# Altium PCB STM32总装电路.PcbDoc
Units mm, origin at the board's own origin, x right, y up, seen from the top; angles counter-clockwise.
Board outline 152.4 x 101.6 mm, 2 copper layers (Top Layer, Bottom Layer); 18 components, 22 nets, 117 pads, 0 vias.
Unrouted connection lines stored in the file: 6.
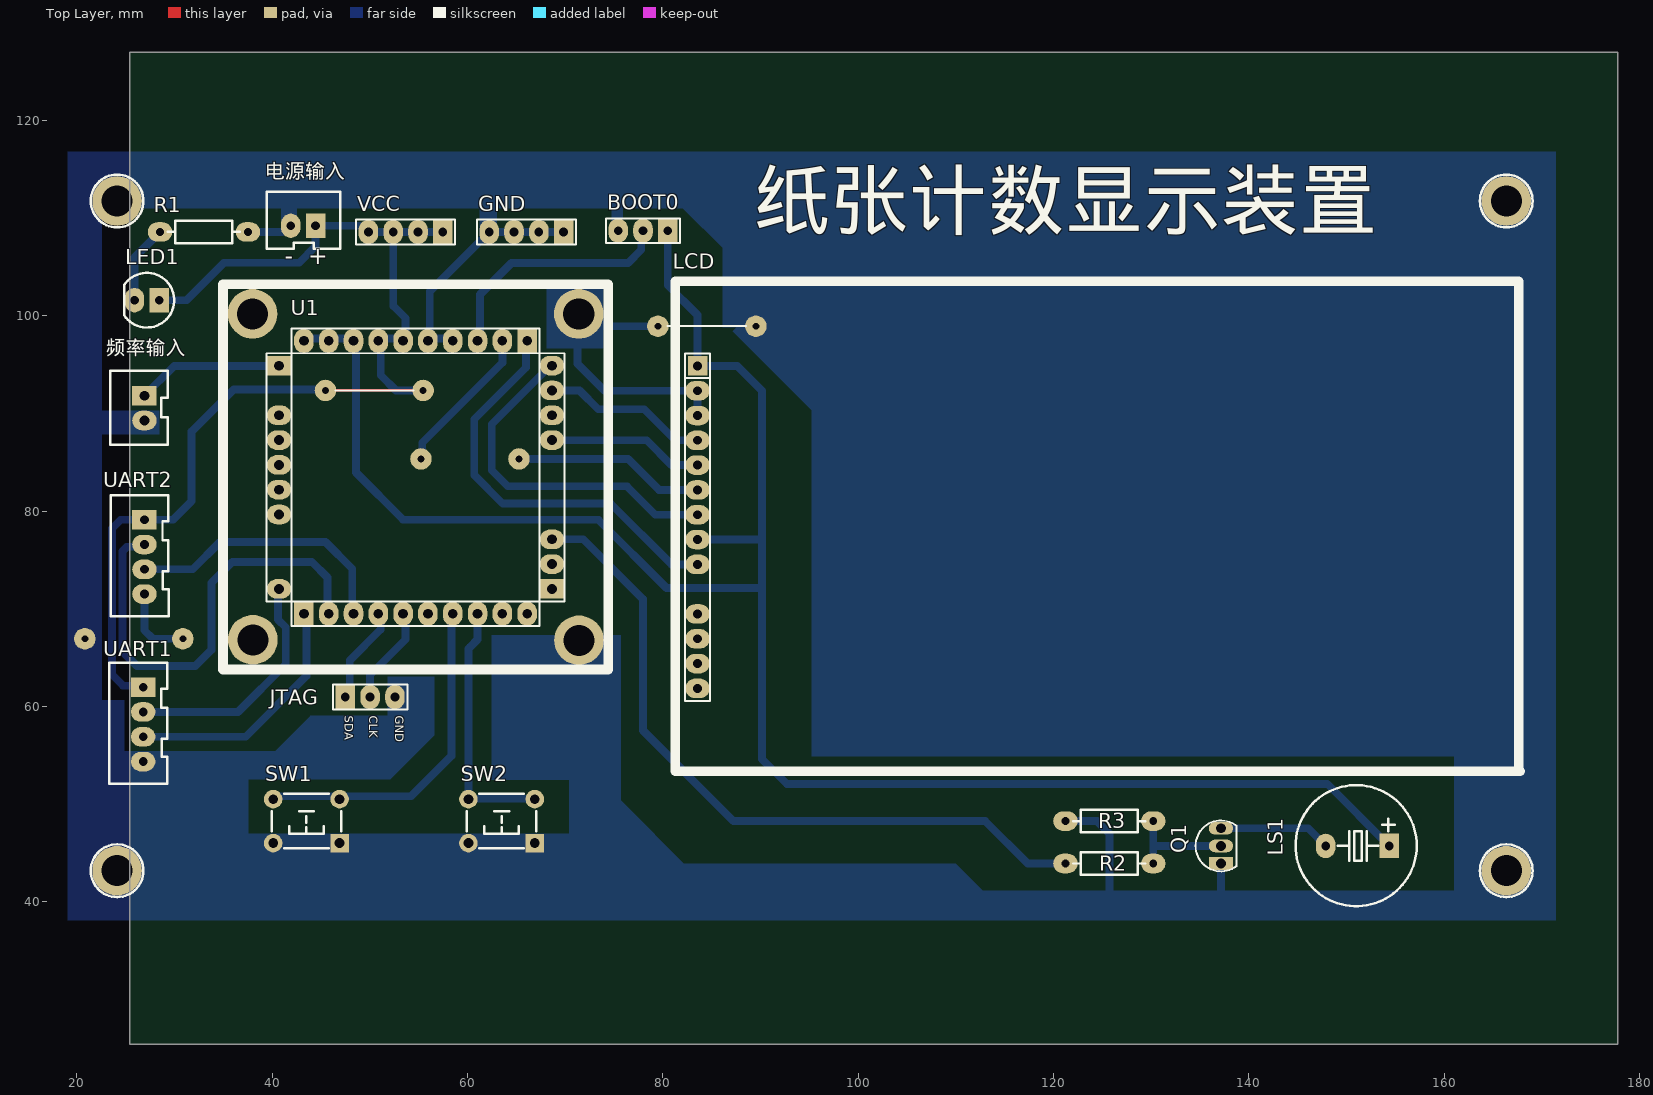
[diagram p0: Top Layer view]
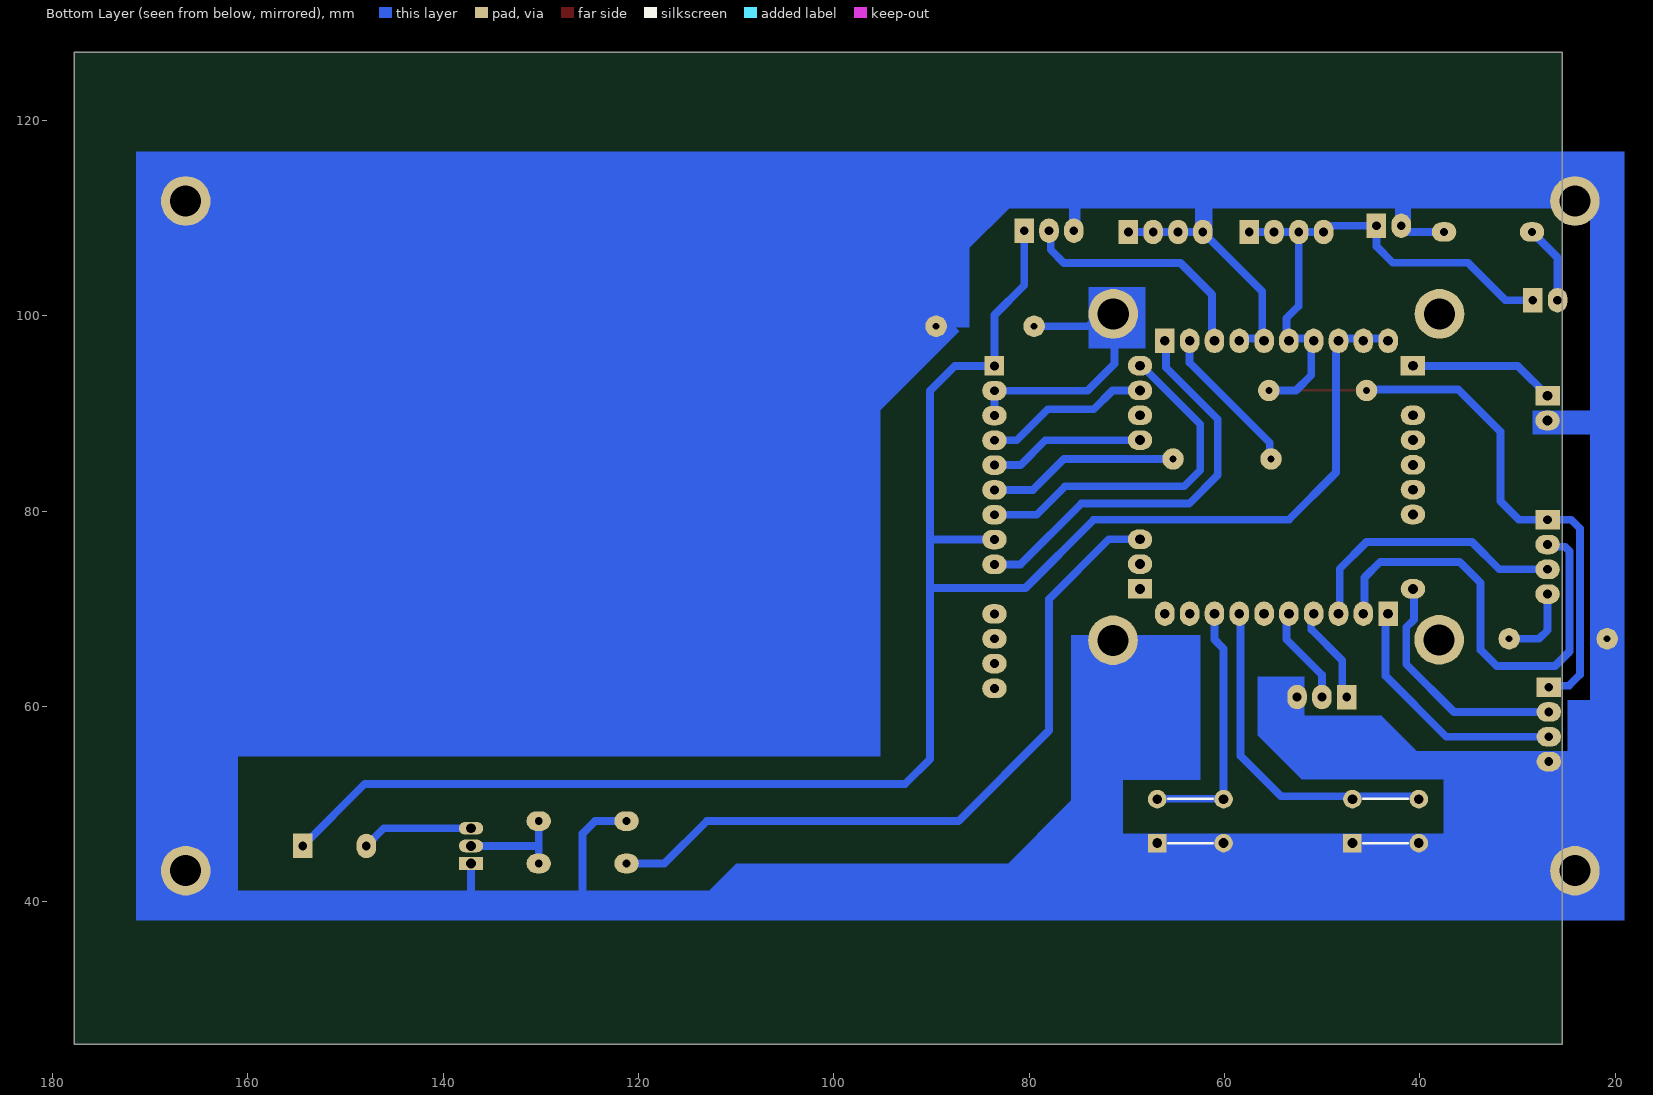
[diagram p1: Bottom Layer view, seen from below]

## Layer stack, top to bottom
Top Solder: solder mask 0.0102, Solder Resist, Dk 3.5
Top Layer: signal copper 0.0356
Dielectric1: dielectric 0.32, FR-4, Dk 4.8
Bottom Layer: signal copper 0.0356
Bottom Solder: solder mask 0.0102, Solder Resist, Dk 3.5

## Board outline
25.4,25.4 177.8,25.4 177.8,127 25.4,127

## Design rules (kind name [scope] priority, off if disabled: settings)
Clearance [All] p1: gap=0.254 ignorepadtopadclearanceinfootprint=FALSE except(0: Arc-Hole Track-Hole SMDPad-Hole THPad-Hole Via-Hole Fill-Hole Poly-Hole Region-Hole Text-Hole)
FabricationTestPointUsage TestPointUsage [All] p1: valid=0 allowmultiple=FALSE
FabricationTestpoint Testpoint [All] p1: side=3 testpointundercomponent=TRUE minsize=1.016 maxsize=2.54 preferedsize=1.524 minholesize=0 maxholesize=1.016 preferedholesize=0.813 testpointgrid=0.025 allowsidetop=TRUE allowsidebottom=TRUE usegrid=TRUE gridtolerance=0
PolygonConnect [All] p1: connectstyle=Relief reliefconductorwidth=0.254 reliefentries=4 polygonreliefangle="90 Angle" airgapwidth=0.254
RoutingVias [All] p1: holewidth=0.711 width=1.27 viastyle="Through Hole" minholewidth=0.711 minwidth=1.27 maxholewidth=0.711 maxwidth=1.27
SilkToSolderMaskClearance SilkscreenOverComponentPads [IsPad] p1: minsilkscreentomaskgap=0.254 clearancetoexposedcopper=TRUE
SolderMaskExpansion [All] p1: expansion=0.102
Width [All] p1: maxlimit=1 minlimit=0.254 preferedwidth=0.8 toplayer_maxwidth=0.254 toplayer_prefwidth=0.254 bottomlayer_minwidth=0.5 minimp=50.000000 maximp=50.000000 favimp=50.000000
27 further rules are at their usual default settings.

## Components (designator, comment, footprint, x,y, rotation, side; value= is the part's Value field where it differs from the comment)
BOOT0 "HDR-1X3" HDR2.54-LI-3P 77.978,108.712 r180 top (schematic designator JP8)
GND "HDR-1X4" HDR2.54-LI-4P 66.04,108.585 r180 top (schematic designator JP2)
JTAG "HDR-1X3" HDR2.54-LI-3P 50.038,60.96 r0 top (schematic designator JP7)
LCD "2.8寸 TFT彩屏" 2.8寸TFT屏幕 81.28,78.359 r0 top locked (schematic designator *)
LED1 "红色" "LED 5MM-B" 27.178,101.6 r180 top
LS1 "DC5V" "BEEP 6.5x12x8.5" 151.13,45.72 r90 top
Q1 "SS8050" TO92A 137.16,45.72 r0 top
R1 "1K" "RS 1/4W" 33.02,108.585 r180 top
R2 "1K" "RS 1/4W" 125.73,43.92 r0 top
R3 "1K" "RS 1/4W" 125.73,48.26 r0 top
SW1 "6x6x5" "TSW DIP-6*6*6" 43.51,48.26 r180 top
SW2 "6x6x5" "TSW DIP-6*6*6" 63.5,48.26 r180 top
U1 "STM32" STM32自制最小系统 34.925,64.135 r0 top
UART1 "HDR-1X4" XH2.54-LI-4P 26.797,58.166 r270 top (schematic designator JP5)
UART2 "HDR-1X4" XH2.54-LI-4P 26.924,75.311 r270 top (schematic designator JP4)
VCC "HDR-1X4" HDR2.54-LI-4P 53.67,108.585 r180 top (schematic designator JP1)
电源输入 "HDR-1X2" XH2.54-LI-2P#1 43.18,109.22 r180 top (schematic designator JP6)
频率输入 "HDR-1X2" XH2.54-LI-2P#2 26.924,90.551 r270 top (schematic designator JP3)

## Footprints (in the part's own frame and the unit in brackets; to place one, negate y for a bottom-side part, rotate by r counter-clockwise, add the part's x,y. Pads: shape width x height; smd on the part's side, far side on the other; paste and mask are expansions set on the pad)
2.8寸TFT屏幕 [mm]
  rect 2x2 hole 0.9: 1(2.286,16.51)
  oval 2.5x2 hole 0.9: 2(2.286,13.97) 3(2.286,11.43) 4(2.286,8.89) 5(2.286,6.35) 6(2.286,3.81) 7(2.286,1.27) 8(2.286,-1.27) 9(2.286,-3.81) 11(2.286,-8.89) 12(2.286,-11.43) 13(2.286,-13.97) 14(2.286,-16.51)
  round 0 all layers, no hole: 10(2.286,-6.35)
  silkscreen extent 0,-24.99 86.5,25.17, body extent 1.02,-17.78 3.56,17.78, height 8.5
"BEEP 6.5x12x8.5" [mm] "6.5*12*8.5mm(脚距,直径,高度)"
  rect 2.5x2 hole 0.9: 1(0,-3.25)
  oval 2.5x2 hole 0.9: 2(0,3.25)
  silkscreen extent -6.17,-6.07 6.22,6.33, body extent -6,-6 6,6, height 8.55
HDR2.54-LI-3P [mm] "排针，3脚"
  rect 2x2.5 hole 0.9: 1(-2.54,0)
  oval 2x2.5 hole 0.9: 2(0,0) 3(2.54,0)
  silkscreen extent -3.81,-1.27 3.81,1.27, body extent -3.81,-1.27 3.81,1.27, height 8.5
HDR2.54-LI-4P [mm] "排针，4脚"
  rect 2x2.5 hole 0.9: 1(-3.81,0)
  oval 2x2.5 hole 0.9: 2(-1.27,0) 3(1.27,0) 4(3.81,0)
  silkscreen extent -5.08,-1.27 5.08,1.27, body extent -5.08,-1.27 5.08,1.27, height 8.5
"LED 5MM-B" [mm] "蓝色5mm直插LED"
  rect 2x2.5 hole 0.9: 1(-1.27,0)
  oval 2x2.5 hole 0.9: 2(1.27,0)
  silkscreen extent -2.8,-2.8 2.33,2.8, body extent -2.85,-2.85 2.45,2.85, height 8.75
"RS 1/4W" [mm] "直插色环电阻，脚距9mm，直径2.3mm"
  oval 2.5x2 hole 0.8: 1(-4.5,0) 2(4.5,0)
  silkscreen extent -3.68,-1.14 3.68,1.14, body extent -4.72,-1.16 4.73,1.16, height 2.32
STM32自制最小系统 [mm]
  rect 2.5x2 hole 1: 1(5.791,30.759) 21(33.731,7.899)
  round 0 all layers, no hole: 2(5.791,28.219) 8(5.791,12.979) 9(5.791,10.439) 24(33.731,15.519) 25(33.731,18.059) 26(33.731,20.599)
  oval 2.5x2 hole 1: 3(5.791,25.679) 4(5.791,23.139) 5(5.791,20.599) 6(5.791,18.059) 7(5.791,15.519) 10(5.791,7.899) 22(33.731,10.439) 23(33.731,12.979) 27(33.731,23.139) 28(33.731,25.679) 29(33.731,28.219) 30(33.731,30.759)
  rect 2x2.5 hole 1: 11(8.331,5.359) 31(31.191,33.299)
  oval 2x2.5 hole 1: 12(10.871,5.359) 13(13.411,5.359) 14(15.951,5.359) 15(18.491,5.359) 16(21.031,5.359) 17(23.571,5.359) 18(26.111,5.359) 19(28.651,5.359) 20(31.191,5.359) 32(28.651,33.299) 33(26.111,33.299) 34(23.571,33.299) 35(21.031,33.299) 36(18.491,33.299) 37(15.951,33.299) 38(13.411,33.299) 39(10.871,33.299) 40(8.331,33.299)
  round 5.08 hole 3.175: 35(3.073,36.068) 35(3.099,2.692) 35(36.474,36.068) 35(36.5,2.642)
  Top Layer pour cut-out: 45.136,13.564
  Top Layer pour cut-out: 8.306,5.817
  silkscreen extent 0.05,-0.36 39.5,39.09, body extent 4.52,4.09 35,34.57, height 8.5
TO92A [mm] "92晶体管"
  rect 2.5x1.3 hole 1: 1(0,-1.8)
  oval 2.5x1.3 hole 1: 2(0,0) 3(0,1.8)
  silkscreen extent -2.6,-2.6 1.6,2.6, body extent -2.3,-2.3 1.3,2.3, height 7.6
"TSW DIP-6*6*6" [mm] "6*6*6mm"
  rect 1.9x1.9 hole 1: 1(-3.4,2.25)
  round 1.9 hole 1: 2(-3.4,-2.25) 3(3.4,-2.25) 4(3.4,2.25)
  silkscreen extent -3.56,-2.79 3.56,2.79, body extent -4.11,-3 4.11,3, height 5.95
XH2.54-LI-2P#1 [mm] "接插件，2P"
  rect 2x2.5 hole 0.9: 1(-1.27,0)
  oval 2x2.5 hole 0.9: 2(1.27,0)
  silkscreen extent -3.81,-3.51 3.74,2.37, body extent -3.77,-3.3 3.77,2.4, height 7.05
XH2.54-LI-2P#2 [mm] "接插件，2P"
  rect 2x2.5 hole 1: 1(-1.27,0)
  oval 2x2.5 hole 1: 2(1.27,0)
  silkscreen extent -3.81,-3.51 3.74,2.37, body extent -3.77,-3.3 3.77,2.4, height 7.05
XH2.54-LI-4P [mm] "接插件，4P"
  rect 2x2.5 hole 0.9: 1(-3.81,0)
  oval 2x2.5 hole 0.9: 2(-1.27,0) 3(1.27,0) 4(3.81,0)
  silkscreen extent -6.3,-3.45 6.07,2.49, body extent -6.31,-3.3 6.31,2.4, height 7.03

## Part data
BOOT0 JTAG: library part "Header 3", "3P接插件"
GND UART1 UART2 VCC: library part "Header 4", "4P接插件"
  UART1 UART2: BOM名称=4P接插件, 学习资源=www.ooocke.com, 版权归属=源创客
LED1: library part LED-5MM, "5mm插件LED", BOM名称=5mm插件LED, 学习资源=www.ooocke.com, 版权归属=源创客
LS1: library part BEEP, "蜂鸣器"
Q1: library part 8050-DIP, "高频放大-NPN型", BOM名称=高频放大-NPN型, 学习资源=www.ooocke.com, 属性="40V 1.5A 1W 100MHZ", 版权归属=源创客
R1 R2 R3: library part R-CRR, "直插色环电阻"
SW1 SW2: library part "TSW DIP-6x6", "直插6x6轻触开关", BOM名称=直插6x6轻触开关, 学习资源=www.ooocke.com, 版权归属=源创客
U1: library part STM32最小系统, "STM32最小系统自制"
电源输入 频率输入: library part "Header 2", "2P接插件", BOM名称=2P接插件, 学习资源=www.ooocke.com, 版权归属=源创客

## Free pads (board coordinates)
  round 2.2 hole 0.7: 1(20.828,66.929) 1(30.861,66.929) 1(45.466,92.354) 1(55.245,85.344) 1(65.278,85.344) 1(79.502,98.933) 1(89.535,98.933) 2(55.466,92.354)
  round 5.08 hole 3.175: 2(24.13,43.18) 2(24.13,111.76) 2(166.37,43.18) 2(166.37,111.76)

## Nets (pads, with @x,y where several pads share a name; then routed paths per layer and width w, separated by ;. In a path a pad name is that pad's centre, name@x,y a point inside that pad or via, vN(x,y) a via of type N, cw(c..) or ccw(c..) an arc to the next point about the centre after c; other vN are vias at no path point)
BEEP: R2.1 U1.23 | length 74.2
  Bottom Layer w0.8: U1.23 71.857,77.114 77.978,70.993 77.978,57.531 87.249,48.26 113.03,48.26 117.37,43.92 R2.1
BOOT0: BOOT0.2 U1.33 | length 25.2
  Bottom Layer w0.8: U1.33@61.29,97.434 61.29,102.184 64.516,105.41 76.454,105.41 77.806,106.762 77.806,108.54 BOOT0.2
CS: BOOT0.3 GND.1 GND.2 GND.3 GND.4 JTAG.3 LCD.2 LCD.3 pad.1@20.828,66.929 pad.1@30.861,66.929 pad.1@79.502,98.933 pad.1@89.535,98.933 pad.2@24.13,43.18 pad.2@24.13,111.76 pad.2@166.37,43.18 pad.2@166.37,111.76 Q1.1 R1.1 R3.1 SW1.1 SW1.4 SW2.1 SW2.4 U1.28 U1.34 U1.35 UART1.4 UART2.4 电源输入.2 频率输入.2 | length 89.7
  Bottom Layer w0.5: U1.28@68.529,90.068 U1.28@68.542,90.056
  Bottom Layer w0.8: UART2.4 26.924,67.818 27.813,66.929 pad.1@30.861,66.929 ; R1.1 41.031,108.585 41.666,109.22 电源输入.2 41.91,115.494 41.986,115.57 ; U1.35@55.829,97.688 U1.34@58.369,97.688 ; U1.35@56.134,97.511 56.134,102.489 GND.4 GND.3 GND.2 GND.1 ; pad.1@79.502,98.933 73.955,98.933 72.431,100.457 71.272,100.457 71.272,95.098 74.041,92.329 LCD.2 LCD.3 ; R3.1 124.46,48.26 125.73,46.99 125.73,39.116 ; 137.16,40.132 Q1.1
DC: LCD.5 U1.27 | length 16.2
  Bottom Layer w0.8: U1.27@68.529,87.528 68.809,87.249 78.359,87.249 80.899,84.709 LCD.5
Freq: U1.1 频率输入.1 | length 15.3
  Bottom Layer w0.8: 频率输入.1 29.972,94.869 40.945,94.869 U1.1@40.97,94.894
KEY_1: SW1.2 SW1.3 U1.17 | length 35.1
  Bottom Layer w0.8: SW1.3@39.751,50.8 54.229,50.8 58.369,54.94 58.369,68.097 U1.17@58.369,69.748
KEY_2: SW2.2 SW2.3 U1.18 | length 25.8
  Bottom Layer w0.8: U1.18 61.036,66.853 60.274,66.091 60.1,65.917 60.1,50.546 SW2.2@66.548,50.546
LED: BOOT0.1 LCD.1 LCD.8 LS1.1 U1.38 U1.39 U1.40 | length 200
  Bottom Layer w0.8: U1.40@43.129,97.688 U1.38@48.209,97.688 ; U1.38@48.59,97.434 48.59,83.947 53.416,79.121 73.406,79.121 80.391,72.136 90.17,72.136 ; BOOT0.1 80.518,103.124 83.566,100.076 LCD.1 87.63,94.869 90.17,92.329 90.17,77.089 ; LCD.8 90.17,77.089 ; LS1.1 148.03,52.07 92.71,52.07 90.17,54.61 90.17,72.136 ; 90.17,72.136 90.17,77.089
NetLED1_2: LED1.2 R1.2 | length 8.1
  Bottom Layer w0.8: LED1.2 25.908,105.973 R1.2
NetLS1_2: LS1.2 Q1.3 | length 11.5
  Bottom Layer w0.8: Q1.3 146.08,47.52 LS1.2
NetQ1_2: Q1.2 R2.2 R3.2 | length 11.3
  Bottom Layer w0.8: R2.2 130.23,45.72 ; R3.2 130.23,45.72 ; Q1.2 130.23,45.72
RST: LCD.4 U1.29 | length 17
  Bottom Layer w0.8: U1.29 71.476,92.354 73.406,90.424 78.105,90.424 81.28,87.249 LCD.4
RXD: U1.11 UART1.3 | length 25.7
  Bottom Layer w0.8: UART1.3 37.287,56.896 43.51,63.119 43.51,68.097 U1.11@43.51,69.494
RXD_2: U1.13 UART2.3 | length 27.9
  Bottom Layer w0.8: UART2.3 31.877,74.041 34.671,76.835 45.466,76.835 48.209,74.092 U1.13@48.209,69.748
SCK: JTAG.2 U1.15 | length 10
  Bottom Layer w0.8: JTAG.2 50.038,63.246 53.67,66.878 53.67,68.097 U1.15@53.67,69.494
SCL: LCD.7 U1.30 | length 36.4
  Bottom Layer w0.8: U1.30@68.529,95.148 68.529,94.945 62.484,88.9 62.484,84.201 64.135,82.55 76.327,82.55 79.248,79.629 LCD.7
SDA: JTAG.1 U1.14 | length 10
  Bottom Layer w0.8: JTAG.1 47.948,61.41 47.948,64.712 51.13,67.894 U1.14@51.13,69.494
SDI: LCD.6 pad.1@55.245,85.344 pad.1@65.278,85.344 U1.32 | length 35.4
  Bottom Layer w0.8: pad.1@55.245,85.344 55.372,85.471 55.372,86.995 63.576,95.199 U1.32 ; U1.32@63.449,97.434 U1.32@63.449,97.688 ; pad.1@65.278,85.344 76.454,85.344 79.629,82.169 LCD.6
SDO: LCD.9 U1.31 | length 42.8
  Bottom Layer w0.8: U1.31@65.989,97.688 65.989,94.691 60.706,89.408 60.706,83.693 63.627,80.772 74.676,80.772 80.899,74.549 LCD.9
TXD: U1.10 UART1.2 | length 24.9
  Bottom Layer w0.8: UART1.2 36.5,59.436 41.402,64.338 41.402,68.093 40.589,68.906 40.589,70.637 U1.10@40.589,72.288
TXD_2: U1.12 UART2.2 | length 47
  Bottom Layer w0.8: UART2.2 26.694,76.351 25.145,76.351 24.676,75.883 24.676,65.621 26.162,64.135 32.131,64.135 33.782,65.786 33.782,72.644 35.941,74.803 44.069,74.803 45.669,73.203 U1.12@45.669,69.748
VCC: LED1.1 pad.1@45.466,92.354 pad.2@55.466,92.354 U1.36 U1.37 UART1.1 UART2.1 VCC.1 VCC.2 VCC.3 VCC.4 电源输入.1 | length 116.8
  Top Layer w0.254: pad.1@45.466,92.354 pad.2@55.466,92.354
  Bottom Layer w0.8: UART1.1 26.652,62.121 24.747,62.121 23.622,63.246 23.622,78.232 24.511,79.121 UART2.1 29.845,79.121 31.75,81.026 31.75,88.138 36.068,92.456 pad.1@45.466,92.456 ; LED1.1 31.242,101.6 35.077,105.435 42.774,105.435 44.45,107.112 电源输入.1 48.982,109.22 VCC.4@49.617,108.585 ; VCC.4 VCC.3 ; U1.37@50.749,97.688 U1.36@53.289,97.688 ; U1.37@51.13,97.434 51.13,93.904 52.68,92.354 pad.2@55.466,92.354 ; U1.36@53.67,97.434 53.67,99.746 52.4,101.016 VCC.3 ; VCC.1 VCC.2 VCC.3
pads on no net: LCD.10 LCD.11 LCD.12 LCD.13 LCD.14 U1.2 U1.3 U1.4 U1.5 U1.6 U1.7 U1.8 U1.9 U1.16 U1.19 U1.20 U1.21 U1.22 U1.24 U1.25 U1.26

## Other copper
Bottom Layer:
  rectangle net CS: 62.484,52.451 75.73,67.31
  region net CS: 102.405,93.592 92.347,103.65 87.122,98.425 97.18,88.367
  region net CS: 83.884,42.228 74.549,51.562 71.196,48.209 80.531,38.875
  rectangle net CS: 20.32,87.859 28.448,90.297
  rectangle net CS: 40.894,108.585 42.545,112.268
  rectangle net CS: 74.778,108.382 75.921,112.598
  rectangle net CS: 61.239,107.772 63.017,112.37
  region net CS: 89.002,108.458 83.649,113.81 81.44,111.6 86.792,106.248
  rectangle net CS: 70.409,43.739 75.73,56.515
  rectangle net CS: 21.057,54.61 24.867,60.655
  region net CS: 52.095,52.502 56.629,57.036 54.102,59.563 49.568,55.029
  region net CS: 45.911,57.036 43.891,59.055 39.903,55.067 41.923,53.048
  rectangle net CS: 43.891,54.153 51.968,59.055
  rectangle net CS: 51.816,57.023 56.642,63.068
  rectangle net CS: 36.83,52.502 52.095,55.423
  rectangle net CS: 21.793,45.441 37.567,55.423
  region net CS: 73.914,96.647 73.914,102.972 68.097,102.972 68.097,96.647
  region net CS: 113.654,40.248 109.982,43.92 108.186,42.124 111.858,38.452
  region net CS: 76.359,41.243 70.612,46.99 68.636,45.014 74.384,39.267
  rectangle net CS: 21.336,42.672 70.612,46.99
  rectangle net CS: 19.304,38.1 109.982,43.92
  rectangle net CS: 19.05,38.1 22.606,116.84
  rectangle net CS: 19.05,110.998 50.038,116.84
  rectangle net CS: 48.26,110.998 86.868,116.84
  rectangle net CS: 95.25,54.864 163.83,109.474
  rectangle net CS: 86.106,98.806 171.45,116.84
  rectangle net CS: 161.036,38.1 171.45,116.84
  rectangle net CS: 70.612,38.1 171.45,41.148

## Silkscreen, mask and mechanical layers (free items; w line width, h text height)
Top Overlay:
  circle w0.254: c166.37,111.76 r2.7
  circle w0.254: c166.37,43.18 r2.7
  circle w0.254: c24.13,43.18 r2.7
  circle w0.254: c24.13,111.76 r2.7
  lines w0.2: 46.466,92.354 54.466,92.354 ; 80.502,98.933 88.502,98.933
  text "纸张计数显示装置" at 89.281,107.061 h10
  text "-  +" at 41.275,104.648 h3
  text "SDA" at 47.117,59.055 h1.5 r270
  text "CLK" at 49.657,59.055 h1.5 r270
  text "GND" at 52.324,59.055 h1.5 r270
Mechanical 1:
  lines w1: 19.05,38.1 19.05,116.84 171.45,116.84 171.45,38.1 19.05,38.1
Mechanical 15:
  circle w0.05: c84.502,98.933 r0.35
  lines w0.05: 84.002,98.933 85.002,98.933 ; 84.502,98.433 84.502,99.433